# KiCad board MES Main Board.kicad_pcb (continued)
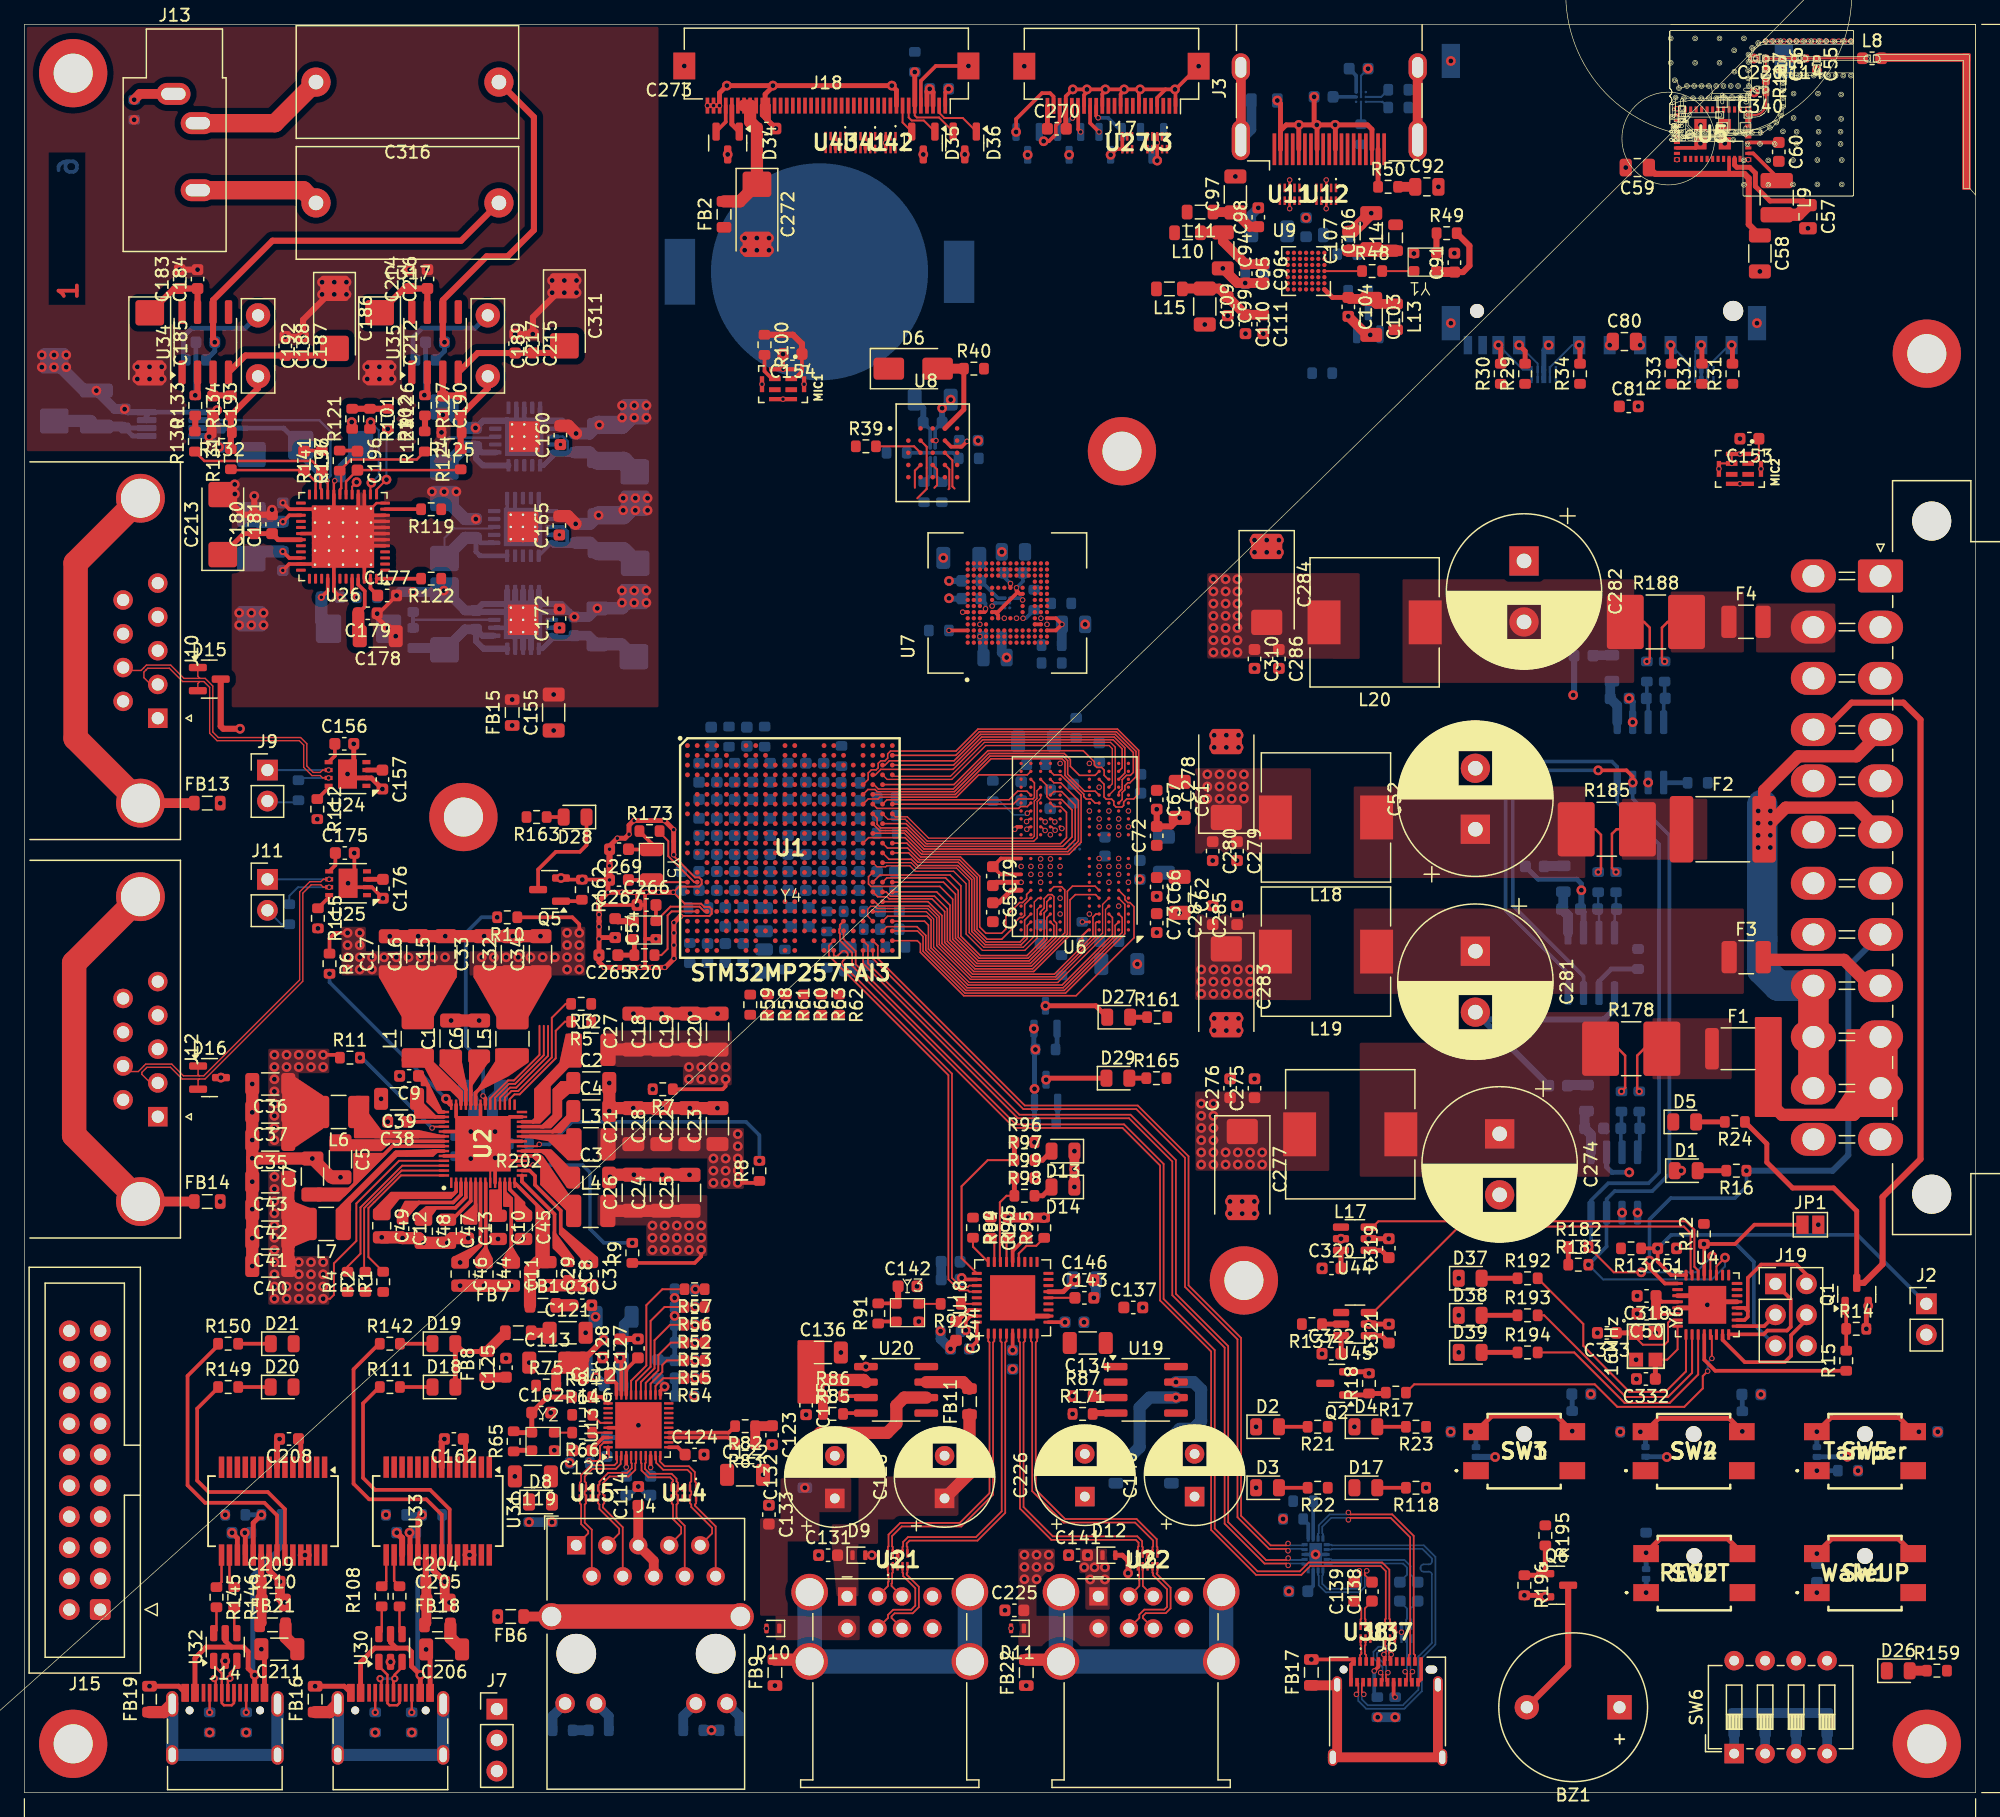
[diagram p0: board, top side]
## Placement (name value [footprint] x y rotation side) (continued)
C302  1uF  [C_0603_1608Metric]  56.02 68.85 270 bottom
C303  0.1uF  [C_0603_1608Metric]  57.48 68.85 270 bottom
C304  0.1uF  [C_0603_1608Metric]  58.24 83.64 90 bottom
C305  0.1uF  [C_0603_1608Metric]  55.32 83.64 90 bottom
C306  0.1uF  [C_0603_1608Metric]  65.54 83.64 90 bottom
C307  0.1uF  [C_0603_1608Metric]  64.08 83.64 90 bottom
C308  0.1uF  [C_0603_1608Metric]  61.16 83.64 90 bottom
C309  0.1uF  [C_0603_1608Metric]  62.62 83.64 90 bottom
C310  0.1uF  [C_0603_1608Metric]  100.87 92.97 270 top
C311  47uF  [CP_EIA-6032-28_Kemet-C]  44.28 121.1 270 top
C312  47uF  [CP_EIA-6032-28_Kemet-C]  2.45 114.94 90 bottom
C313  47uF  [CP_EIA-6032-28_Kemet-C]  50.08 103.27 90 bottom
C314  10uF  [C_1206_3216Metric]  46.98 95.64 90 bottom
C315  0.1uF  [C_0603_1608Metric]  45.1 95.64 90 bottom
C316  10uF  [C_Rect_L18.0mm_W9.0mm_P15.00mm_FKS3_FKP3]  38.91 140.27 180 top
C317  10uF  [C_Rect_L18.0mm_W9.0mm_P15.00mm_FKS3_FKP3]  38.91 130.36 180 top
C318  0.1uF  [C_0603_1608Metric]  133.02 40.73 180 top
C319  0.1uF  [C_0603_1608Metric]  111.88 44.65 90 top
C320  0.1uF  [C_0603_1608Metric]  107.19 42.99 0 top
C321  0.1uF  [C_0603_1608Metric]  111.89 37.65 90 top
C322  0.1uF  [C_0603_1608Metric]  107.18 35.99 0 top
C323  0.1uF  [C_0603_1608Metric]  131.69 54.47 0 bottom
C324  0.1uF  [C_0603_1608Metric]  128.72 54.47 180 bottom
C325  0.1uF  [C_0603_1608Metric]  125.76 57.97 0 bottom
C326  0.1uF  [C_0603_1608Metric]  129.78 72.46 0 bottom
C327  0.1uF  [C_0603_1608Metric]  126.82 72.46 180 bottom
C328  0.1uF  [C_0603_1608Metric]  123.85 75.95 0 bottom
C329  0.1uF  [C_0603_1608Metric]  133.78 89.73 0 bottom
C330  0.1uF  [C_0603_1608Metric]  130.81 89.73 180 bottom
C331  0.1uF  [C_0603_1608Metric]  127.85 93.23 0 bottom
C332  22pF  [C_0603_1608Metric]  132.97 33.92 180 top
C333  22pF  [C_0603_1608Metric]  129.76 37.7 180 top
C334  0.1uF  [C_0603_1608Metric]  77.65 99.37 0 bottom
C335  10uF  [C_1206_3216Metric]  76.82 101.25 180 bottom
C336  10uF  [C_1206_3216Metric]  93.44 76.9 270 bottom
C337  0.1uF  [C_0603_1608Metric]  88.61 77.58 90 bottom
C338  10uF  [C_1206_3216Metric]  37.61 57.57 0 bottom
C339  0.1uF  [C_0603_1608Metric]  37.61 55.69 180 bottom
C340  C  [C_0402_1005Metric]  142.32 139.42 180 top
C341  10uF  [C_1206_3216Metric]  74.48 114.23 0 bottom
C342  0.1uF  [C_0603_1608Metric]  74.48 112.35 180 bottom
D1  PWR OK  [LED_0805_2012Metric]  136.27 51 0 top
D2  +12V  [LED_0805_2012Metric]  101.94 30 0 top
D3  +5V  [LED_0805_2012Metric]  101.94 25 0 top
D4  +5VSB  [LED_0805_2012Metric]  110 30 0 top
D5  PS ON  [LED_0805_2012Metric]  136.15 55 0 top
D6  M1  [D_SMA]  72.88 116.77 0 top
D7  BAR18FILM  [SOT-23]  110.2 120.53 90 bottom
D8  1Gbps  [LED_0805_2012Metric]  42.32 23.83 0 top
D9  ESDA7P120-1U1M  [ST_QFN-2L_1.6x1.0mm]  68.43 19.47 0 top
D10  ESDA7P120-1U1M  [ST_QFN-2L_1.6x1.0mm]  61.38 13.46 180 top
D11  ESDA7P120-1U1M  [ST_QFN-2L_1.6x1.0mm]  81.43 13.47 180 top
D12  ESDA7P120-1U1M  [ST_QFN-2L_1.6x1.0mm]  88.93 19.47 0 top
D13  SUSP IND  [LED_0805_2012Metric]  85.16 52.6 180 top
D14  HS INT  [LED_0805_2012Metric]  85.16 49.66 180 top
D15  ESDCAN24-2BLY  [SOT-23]  15.16 91.31 0 top
D16  ESDCAN24-2BLY  [SOT-23]  15.18 58.63 0 top
D17  -12V  [LED_0805_2012Metric]  110 25 0 top
D18  A35 Rx  [LED_0805_2012Metric]  34.4 33.26 0 top
D19  A35 Tx  [LED_0805_2012Metric]  34.4 36.81 0 top
D20  M33 Rx  [LED_0805_2012Metric]  21.13 33.26 0 top
D21  M33 Tx  [LED_0805_2012Metric]  21.14 36.81 0 top
D22  ESDALC6V1  [D_SOD-882D]  132.98 17.93 270 bottom
D23  ESDALC6V1  [D_SOD-882D]  119.03 27.93 270 bottom
D24  ESDALC6V1  [D_SOD-882D]  132.93 27.94 270 bottom
D25  ESDALC6V1  [D_SOD-882D]  146.98 27.93 270 bottom
D26  RED  [LED_0805_2012Metric]  153.66 9.99 0 top
D27  G  [LED_0805_2012Metric]  89.73 63.59 0 top
D28  B  [LED_0805_2012Metric]  45.16 80 180 top
D29  O  [LED_0805_2012Metric]  89.67 58.59 0 top
D30  ESDA5V3L  [SOT-23]  92.47 135.24 270 bottom
D31  ESDA5V3L  [SOT-23]  89.07 135.24 270 bottom
D32  ESDA5V3L  [SOT-23]  85.67 135.24 270 bottom
D33  ESDA5V3L  [SOT-23]  82.27 135.24 270 bottom
D34  ESDA5V3L  [SOT-23]  57.67 135.27 270 top
D35  ESDA5V3L  [SOT-23]  73.71 135.27 270 top
D36  ESDA5V3L  [SOT-23]  77.11 135.28 270 top
D37  PMIC  [LED_0805_2012Metric]  118.55 42.18 0 top
D38  OCP  [LED_0805_2012Metric]  118.55 39.14 0 top
D39  OVP  [LED_0805_2012Metric]  118.55 36.1 0 top
F1  2.5A  [Fuse_1812_4532Metric]  140.52 61 0 top
F2  3A  [Fuse_2920_7451Metric]  139.27 79 0 top
F3  500mA  [Fuse_1210_3225Metric]  141.19 68.51 0 top
F4  500mA  [Fuse_1210_3225Metric]  141.17 96.01 0 top
FB1  Bead  [L_0805_2012Metric]  42.52 39.96 0 top
FB2  Bead  [L_0805_2012Metric]  57.37 129.42 90 top
FB3  Bead  [L_0805_2012Metric]  128.09 56.95 90 bottom
FB5  Bead  [L_0805_2012Metric]  101.68 138.76 0 bottom
FB6  Bead  [L_0805_2012Metric]  39.88 14.44 180 top
FB7  Bead  [L_0805_2012Metric]  40.5 37.71 180 top
FB8  Bead  [L_0805_2012Metric]  37.91 35.11 90 top
FB9  Bead  [L_0805_2012Metric]  61.54 9.84 90 top
FB11  Bead  [L_0805_2012Metric]  77.5 32.06 90 top
FB12  Bead  [L_0805_2012Metric]  126.19 74.93 90 bottom
FB13  Bead  [L_0805_2012Metric]  14.99 81.14 0 top
FB14  Bead  [L_0805_2012Metric]  14.99 48.47 0 top
FB15  Bead  [L_0805_2012Metric]  40 88.57 90 top
FB16  Bead  [L_0805_2012Metric]  23.84 7.66 90 top
FB17  Bead  [L_0805_2012Metric]  105.53 9.86 90 top
FB18  Bead  [L_0805_2012Metric]  33.87 13.75 0 top
FB19  Bead  [L_0805_2012Metric]  10.26 7.66 90 top
FB20  Bead  [L_0805_2012Metric]  130.18 92.21 90 bottom
FB21  Bead  [L_0805_2012Metric]  20.35 13.76 0 top
FB22  Bead  [L_0805_2012Metric]  82.16 9.84 90 top
FB23  Bead  [L_0805_2012Metric]  64 26.06 90 bottom
FB24  Bead  [L_0805_2012Metric]  94.06 26.44 90 bottom
FB25  Bead  [L_0805_2012Metric]  89.5 26.44 90 bottom
J1  ATX-24  [Molex_Mini-Fit_Jr_5569-24A1_2x12_P4.20mm_Horizontal]  152.2 99.77 270 top
J2  Power SW  [PinHeader_1x02_P2.54mm_Vertical]  155.96 40.09 0 top
J3  HDMI_A_1.4  [HDMI_A_Molex_208658-1001_Horizontal]  107 138.05 90 top
J4  48F-01GYD2NL  [RJ45_Wuerth_7499111446_Horizontal]  45.25 20.28 0 top
J5  USB_A_Stacked  [USB_A_Wuerth_61400826021_Horizontal_Stacked]  67.46 16.09 0 top
J6  USB 3.0  [USB_C_Receptacle_Amphenol_12401610E4-2A]  111.78 5.73 0 top
J7  RFID  [PinHeader_1x03_P2.54mm_Vertical]  38.74 6.85 0 top
J8  USB Type C(A35)  [USB_C_Receptacle_HRO_TYPE-C-31-M-12]  30.02 4.14 0 top
J9  CAN1 T-Res  [PinHeader_1x02_P2.54mm_Vertical]  19.93 83.85 0 top
J10  FDCAN_1  [DSUB-9_Female_Horizontal_P2.77x2.84mm_EdgePinOffset7.70mm_Housed_MountingHolesOffset9.12mm]  10.94 88.1 270 top
J11  CAN2 T-Res  [PinHeader_1x02_P2.54mm_Vertical]  19.93 74.89 0 top
J12  FDCAN_2  [DSUB-9_Female_Horizontal_P2.77x2.84mm_EdgePinOffset7.70mm_Housed_MountingHolesOffset9.12mm]  10.94 55.43 270 top
J13  LineOUT  [Jack_3.5mm_CUI_SJ1-3533NG_Horizontal]  12.22 139.3 0 top
J14  USB Type C(M33)  [USB_C_Receptacle_HRO_TYPE-C-31-M-12]  16.44 4.14 0 top
J15  ST-Link  [IDC-Header_2x10_P2.54mm_Vertical]  6.22 15.01 180 top
J16  USB_A_Stacked  [USB_A_Wuerth_61400826021_Horizontal_Stacked]  88.07 16.09 0 top
J17  2-1734592-2  [Hirose_FH12-22S-0.5SH_1x22-1MP_P0.50mm_Horizontal]  89.14 140.17 180 top
J18  LVDS  [Hirose_FH12-40S-0.5SH_1x40-1MP_P0.50mm_Horizontal]  65.76 140.19 180 top
J19  PMIC ISP  [PinHeader_2x03_P2.54mm_Vertical]  143.59 41.72 0 top
JP1  ATmega328p Reset  [SolderJumper-2_P1.3mm_Open_Pad1.0x1.5mm]  146.45 46.57 0 top
L1  0.68uH  [L_1210_3225Metric]  32.26 61.82 90 top
L2  0.68uH  [L_1210_3225Metric]  46.46 60.91 0 top
L3  0.68uH  [L_1210_3225Metric]  46.46 53.16 0 top
L4  2.2uH  [L_1210_3225Metric]  46.44 47.7 0 top
L5  2.2uH  [L_1210_3225Metric]  40.02 61.81 90 top
L6  0.68uH  [L_1210_3225Metric]  25.77 55.81 180 top
L7  0.68uH  [L_1210_3225Metric]  24.75 46.63 180 top
L8  2.4nH  [L_0603_1608Metric]  151.51 142.22 0 top
L9  2.2uH  [L_1210_3225Metric]  143.69 130.79 270 top
L10  10uH  [L_0805_2012Metric]  95.38 127.91 180 top
L11  10uH  [L_0805_2012Metric]  96.41 129.61 180 top
L12  10uH  [L_0805_2012Metric]  107.57 127.73 0 bottom
L13  10uH  [L_0805_2012Metric]  112.44 121.02 270 top
L14  10uH  [L_0805_2012Metric]  112.44 127.5 90 top
L15  10uH  [L_0805_2012Metric]  93.89 123.31 180 top
L16  4.7uH  [L_0805_2012Metric]  46.92 34.1 180 top
L17  47uH  [L_10.4x10.4_H4.8]  108.72 53.99 180 top
L18  47uH  [L_10.4x10.4_H4.8]  106.73 79.97 180 top
L19  47uH  [L_10.4x10.4_H4.8]  106.73 68.97 180 top
L20  47uH  [L_10.4x10.4_H4.8]  110.72 95.97 180 top
MIC1  IMP34DT05TR  [MIC_MP34DT06JTR]  62.21 115.5 270 top
MIC2  IMP34DT05TR  [MIC_MP34DT06JTR]  140.68 108.55 270 top
Q1  BSS138  [SOT-23]  150.25 40.86 90 top
Q2  BSS138  [SOT-23]  107.61 33.56 180 top
Q3  BSS138  [SOT-23]  83.73 63.59 90 bottom
Q4  BSS138  [SOT-23]  83.78 57.52 90 bottom
Q5  BSS138  [SOT-23]  43.06 74.05 180 top
Q6  BSS138  [SOT-23]  125.65 17.01 0 top
R1  0  [R_0603_1608Metric]  29.42 41.89 90 top
R2  0  [R_0603_1608Metric]  27.96 41.89 90 top
R3  0  [R_0603_1608Metric]  45.66 64.68 180 top
R4  0  [R_0603_1608Metric]  26.5 41.89 90 top
R5  0  [R_0603_1608Metric]  45.66 63.22 180 top
R6  0  [R_0603_1608Metric]  25.02 67.98 270 top
R7  0  [R_0603_1608Metric]  52.34 57.68 180 top
R8  0  [R_0603_1608Metric]  60.27 50.99 90 top
R9  0  [R_0603_1608Metric]  49.85 44.26 90 top
R10  0  [R_0603_1608Metric]  39.59 71.78 180 top
R11  0  [R_0603_1608Metric]  26.69 60.27 0 top
R12  10k  [R_0603_1608Metric]  137.72 45.82 90 top
R13  10k  [R_0603_1608Metric]  131.75 44.63 180 top
R14  10k  [R_0603_1608Metric]  150.22 38.03 0 top
R15  100  [R_0603_1608Metric]  149.39 35.42 90 top
R16  3k  [R_0603_1608Metric]  140.38 51 180 top
R17  100  [R_0603_1608Metric]  112.46 32.8 180 top
R18  10k  [R_0603_1608Metric]  110.25 33.56 90 top
R19  10k  [R_0603_1608Metric]  55.28 72.55 180 bottom
R20  0  [R_0603_1608Metric]  50.84 68.68 180 top
R21  10k  [R_0603_1608Metric]  106.05 30 180 top
R22  3k  [R_0603_1608Metric]  106.05 25 180 top
R23  3k  [R_0603_1608Metric]  114.11 30 180 top
R24  3k  [R_0603_1608Metric]  140.26 55 180 top
R25  10k  [R_0603_1608Metric]  79.41 82.14 270 bottom
R26  240  [R_0603_1608Metric]  86.75 70.58 270 bottom
R27  240  [R_0603_1608Metric]  70.7 78.66 180 bottom
R28  22  [R_0603_1608Metric]  67 85.01 270 bottom
R29  47k  [R_0603_1608Metric]  123.06 116.35 90 top
R30  47k  [R_0603_1608Metric]  121.06 116.35 90 top
R31  47k  [R_0603_1608Metric]  140.06 116.35 90 top
R32  47k  [R_0603_1608Metric]  137.56 116.35 90 top
R33  47k  [R_0603_1608Metric]  135.06 116.35 90 top
R34  10k  [R_0603_1608Metric]  127.56 116.35 90 top
R35  10k  [R_0603_1608Metric]  74.99 95.3 0 bottom
R36  10k  [R_0603_1608Metric]  82.81 97.82 270 bottom
R37  10k  [R_0603_1608Metric]  85.02 97.52 180 bottom
R38  10k  [R_0603_1608Metric]  84.23 94.09 0 bottom
R39  10k  [R_0603_1608Metric]  69 110.4 0 top
R40  10k  [R_0603_1608Metric]  77.86 116.77 0 top
R41  200  [R_0603_1608Metric]  57.78 86.6 90 bottom
R42  1k  [R_0603_1608Metric]  108.47 126.15 0 bottom
R43  2k  [R_0603_1608Metric]  106.41 116.4 0 bottom
R44  0  [R_0603_1608Metric]  109.6 135.99 270 bottom
R45  2k  [R_0603_1608Metric]  112.66 138.18 0 bottom
R46  2k  [R_0603_1608Metric]  112.66 139.64 0 bottom
R47  27k  [R_0603_1608Metric]  109.38 123.17 0 bottom
R48  0  [R_0603_1608Metric]  110.51 124.77 0 top
R49  10k  [R_0603_1608Metric]  116.62 127.88 0 top
R50  0  [R_0603_1608Metric]  111.82 131.68 0 top
R51  10k  [R_0603_1608Metric]  100.88 125.25 180 bottom
R52  22  [R_0603_1608Metric]  54.95 38.36 180 top
R53  22  [R_0603_1608Metric]  54.95 36.9 180 top
R54  22  [R_0603_1608Metric]  54.95 33.98 180 top
R55  22  [R_0603_1608Metric]  54.95 35.44 180 top
R56  22  [R_0603_1608Metric]  54.95 39.82 180 top
R57  22  [R_0603_1608Metric]  54.95 41.28 180 top
R58  22  [R_0603_1608Metric]  60.97 64.62 270 top
R59  22  [R_0603_1608Metric]  59.52 64.62 270 top
R60  22  [R_0603_1608Metric]  63.89 64.62 270 top
R61  22  [R_0603_1608Metric]  62.43 64.62 270 top
R62  22  [R_0603_1608Metric]  66.81 64.62 270 top
R63  22  [R_0603_1608Metric]  65.35 64.62 270 top
R64  22  [R_0603_1608Metric]  45.75 30.98 0 top
R65  10k  [R_0603_1608Metric]  40.12 28.81 90 top
R66  0  [R_0603_1608Metric]  45.74 29.52 180 top
R67  2.49k  [R_0603_1608Metric]  45.55 27.04 180 bottom
R68  510  [R_0603_1608Metric]  44.14 5.11 0 bottom
R69  510  [R_0603_1608Metric]  57.81 5.11 0 bottom
R70  4.7k  [R_0603_1608Metric]  47.09 5.11 0 bottom
R71  4.7k  [R_0603_1608Metric]  54.85 5.11 180 bottom
R72  4.7k  [R_0603_1608Metric]  43.26 23.01 90 bottom
R73  270  [R_0603_1608Metric]  41.39 23.01 90 bottom
R74  0  [R_0603_1608Metric]  48.31 37.14 180 bottom
R75  0  [R_0603_1608Metric]  42.78 33.38 0 top
R76  4.7k  [R_0603_1608Metric]  54.15 38.36 0 bottom
R77  4.7k  [R_0603_1608Metric]  54.15 36.9 0 bottom
R78  4.7k  [R_0603_1608Metric]  54.15 35.44 0 bottom
R79  4.7k  [R_0603_1608Metric]  54.15 33.98 0 bottom
R80  4.7k  [R_0603_1608Metric]  54.15 41.28 0 bottom
R81  4.7k  [R_0603_1608Metric]  54.15 39.82 0 bottom
R82  1.5k  [R_0603_1608Metric]  59.1 30.05 180 top
R83  1.5k  [R_0603_1608Metric]  59.1 28.59 180 top
R84  1.5k  [R_0603_1608Metric]  45.74 32.44 0 top
R85  10k  [R_0603_1608Metric]  66.31 31.05 0 top
R86  10k  [R_0603_1608Metric]  66.31 32.51 0 top
R87  10k  [R_0603_1608Metric]  86.78 32.51 0 top
R88  100k  [R_0603_1608Metric]  104.87 23.9 0 bottom
R89  10k  [R_0603_1608Metric]  77.78 46.33 270 top
R90  10k  [R_0603_1608Metric]  79.25 46.33 270 top
R91  10k  [R_0603_1608Metric]  70.01 39.29 90 top
R92  0  [R_0603_1608Metric]  75.96 40.08 180 top
R93  12k  [R_0603_1608Metric]  75.95 37.84 180 bottom
R94  100k  [R_0603_1608Metric]  80.7 46.33 90 top
R95  100k  [R_0603_1608Metric]  83.62 46.32 90 top
R96  100k  [R_0603_1608Metric]  82 53.32 0 top
R97  1k  [R_0603_1608Metric]  82 51.86 0 top
R98  1k  [R_0603_1608Metric]  82 48.94 0 top
R99  100k  [R_0603_1608Metric]  82 50.4 0 top
R100  10k  [R_0603_1608Metric]  60.69 118.73 270 top
R101  4.7k  [R_0603_1608Metric]  28.34 112.66 270 top
R102  4.7k  [R_0603_1608Metric]  29.8 112.66 270 top
R103  5.1k  [R_0603_1608Metric]  31.76 5.76 270 bottom
R104  5.1k  [R_0603_1608Metric]  28.77 5.76 270 bottom
R105  1.62M  [R_0603_1608Metric]  31.87 94.69 90 bottom
R106  215k  [R_0603_1608Metric]  31.87 97.64 90 bottom
R107  22  [R_0603_1608Metric]  29.3 16.1 270 top
R108  22  [R_0603_1608Metric]  30.76 16.1 270 top
R109  4.7k  [R_0603_1608Metric]  33.44 22.78 180 bottom
R110  10k  [R_0603_1608Metric]  30.47 22.78 180 bottom
R111  1k  [R_0603_1608Metric]  29.97 33.26 0 top
R112  10k  [R_0603_1608Metric]  24.02 80.65 270 top
R113  120  [R_0603_1608Metric]  22.47 82.2 90 bottom
R114  0  [R_0402_1005Metric]  145.58 142.21 180 top
R115  10k  [R_0603_1608Metric]  24.07 71.7 270 top
R116  120  [R_0603_1608Metric]  21.72 72.03 90 bottom
R117  0  [R_0402_1005Metric]  142.8 140.81 270 top
R118  10k  [R_0603_1608Metric]  114.11 25 180 top
R119  10k  [R_0603_1608Metric]  33.36 105.24 180 top
R120  10k  [R_0603_1608Metric]  28.08 98.02 180 bottom
R121  10k  [R_0603_1608Metric]  26.88 112.66 90 top
R122  10k  [R_0603_1608Metric]  33.36 99.55 180 top
R123  3.9k  [R_0603_1608Metric]  32.83 110.8 90 top
R124  3.9k  [R_0603_1608Metric]  35.77 109.33 90 top
R125  4.7k  [R_0603_1608Metric]  35.03 111.54 180 top
R126  150  [R_0603_1608Metric]  32.85 113.75 90 top
R127  150  [R_0603_1608Metric]  35.77 113.74 90 top
R128  4.7k  [R_0603_1608Metric]  32.89 117.48 0 bottom
R129  0  [R_0603_1608Metric]  9 138 90 bottom
R130  3.9k  [R_0603_1608Metric]  13.98 110.79 90 top
R131  3.9k  [R_0603_1608Metric]  16.93 109.34 90 top
R132  4.7k  [R_0603_1608Metric]  16.19 111.55 180 top
R133  150  [R_0603_1608Metric]  14.01 113.76 90 top
R134  150  [R_0603_1608Metric]  16.93 113.75 90 top
R135  4.7k  [R_0603_1608Metric]  14.07 117.48 0 bottom
R136  100  [R_0603_1608Metric]  25.85 109.23 90 top
R137  10k  [R_0603_1608Metric]  105.58 38.42 180 top
R138  0  [R_0603_1608Metric]  132.42 56.68 270 bottom
R139  10k  [R_0603_1608Metric]  132.98 20.5 270 bottom
R140  10k  [R_0603_1608Metric]  117.78 29.59 180 bottom
R141  100  [R_0603_1608Metric]  24.39 109.23 90 top
R142  1k  [R_0603_1608Metric]  29.97 36.81 0 top
R143  5.1k  [R_0603_1608Metric]  18.19 5.76 270 bottom
R144  5.1k  [R_0603_1608Metric]  15.19 5.76 270 bottom
R145  22  [R_0603_1608Metric]  15.75 16.03 270 top
R146  22  [R_0603_1608Metric]  17.21 16.03 270 top
R147  4.7k  [R_0603_1608Metric]  20.25 22.78 180 bottom
R148  10k  [R_0603_1608Metric]  17.3 22.78 180 bottom
R149  1k  [R_0603_1608Metric]  16.71 33.26 0 top
R150  1k  [R_0603_1608Metric]  16.7 36.81 0 top
R151  330  [R_0603_1608Metric]  126.92 30.47 90 bottom
R152  1k  [R_0603_1608Metric]  147.82 5.71 270 bottom
R153  10k  [R_0603_1608Metric]  131.69 29.59 180 bottom
R154  330  [R_0603_1608Metric]  140.87 30.45 90 bottom
R155  100  [R_0603_1608Metric]  149.53 26.4 180 bottom
R156  1k  [R_0603_1608Metric]  145.28 5.71 270 bottom
R157  1k  [R_0603_1608Metric]  142.74 5.71 270 bottom
R158  1k  [R_0603_1608Metric]  140.2 5.71 270 bottom
R159  330  [R_0603_1608Metric]  156.82 10 0 top
R160  10k  [R_0603_1608Metric]  83.73 60.94 0 bottom
R161  270  [R_0603_1608Metric]  92.89 63.59 0 top
R162  10k  [R_0603_1608Metric]  45.71 74.05 270 top
R163  270  [R_0603_1608Metric]  42 80 180 top
R164  10k  [R_0603_1608Metric]  83.78 54.88 0 bottom
R165  270  [R_0603_1608Metric]  92.82 58.59 0 top
R166  100k  [R_0603_1608Metric]  104.03 22.44 180 bottom
R167  0  [R_0603_1608Metric]  62.36 68.32 270 bottom
R168  200  [R_0603_1608Metric]  68 70.8 180 bottom
R169  200  [R_0603_1608Metric]  68 72.26 0 bottom
R170  200  [R_0603_1608Metric]  65.8 71.44 270 bottom
R171  10k  [R_0603_1608Metric]  86.78 31.05 0 top
R172  0  [R_0603_1608Metric]  71.43 69.34 180 bottom
R173  0  [R_0603_1608Metric]  51.26 78.85 0 top
R174  200  [R_0603_1608Metric]  60.7 86.6 90 bottom
R175  0  [R_0603_1608Metric]  65.8 68.48 90 bottom
R176  10k  [R_0603_1608Metric]  73.01 141.92 270 bottom
R177  0  [R_0603_1608Metric]  54.56 68.85 90 bottom
R178  0.1  [R_2816_7142Metric]  131.76 61 0 top
R179  0  [R_0603_1608Metric]  130.96 56.68 270 bottom
R180  5.1k  [R_0603_1608Metric]  110.94 7.01 270 bottom
R181  5.1k  [R_0603_1608Metric]  112.4 7.01 270 bottom
R182  4.7k  [R_0603_1608Metric]  127.43 44.75 0 top
R183  4.7k  [R_0603_1608Metric]  127.43 43.29 0 top
R184  0  [R_0603_1608Metric]  129.05 74.67 270 bottom
R185  0.1  [R_2816_7142Metric]  129.76 79 0 top
R186  0  [R_0603_1608Metric]  130.51 74.67 270 bottom
R187  0  [R_0603_1608Metric]  133.04 91.94 270 bottom
R188  0.1  [R_2816_7142Metric]  133.78 96 0 top
R189  0  [R_0603_1608Metric]  134.5 91.94 270 bottom
R190  10k  [R_0603_1608Metric]  132.32 68.36 270 bottom
R191  10k  [R_0603_1608Metric]  137.21 82.81 180 bottom
R192  10k  [R_0603_1608Metric]  123.26 42.18 0 top
R193  10k  [R_0603_1608Metric]  123.26 39.14 0 top
R194  10k  [R_0603_1608Metric]  123.26 36.1 0 top
R195  100  [R_0603_1608Metric]  124.72 21.09 270 top
R196  10k  [R_0603_1608Metric]  123 17 270 top
R197  4.7k  [R_0603_1608Metric]  73.77 106.65 270 bottom
R198  4.7k  [R_0603_1608Metric]  75.23 106.65 270 bottom
R199  10k  [R_0603_1608Metric]  84.23 92.63 0 bottom
R200  10k  [R_0603_1608Metric]  85.05 67.84 270 bottom
R201  10k  [R_0603_1608Metric]  86.25 87.32 90 bottom
R202  10k  [R_0603_1608Metric]  40.56 53.21 0 bottom
R203  10k  [R_0603_1608Metric]  35.39 53.02 270 bottom
R204  10k  [R_0603_1608Metric]  77.44 109.41 0 bottom
R205  10k  [R_0603_1608Metric]  71.53 109.87 180 bottom
SD1  GSD090012SEU  [AMPHENOL_GSD090012SEU]  130.62 132 0 bottom
SW1  WakeUP  [TLSMDT3C020GLFS]  150.93 18 0 top
SW2  RESET  [TLSMDT3C020GLFS]  136.93 18 0 top
SW3  SW1  [TLSMDT3C020GLFS]  122.98 28 0 top
SW4  SW2  [TLSMDT3C020GLFS]  136.88 28 0 top
SW5  Tamper  [TLSMDT3C020GLFS]  150.93 28 0 top
SW6  BOOT Mode  [SW_DIP_SPSTx04_Slide_6.7x11.72mm_W7.62mm_P2.54mm_LowProfile]  140.2 3.2 90 top
Temp1  AS6221(eMMC)  [Texas_DSBGA-6_0.95x1.488mm_Layout2x3_P0.4mm]  80.6 97.55 180 bottom
Temp2  AS6221(DRAM)  [Texas_DSBGA-6_0.95x1.488mm_Layout2x3_P0.4mm]  86.13 77.57 90 bottom
Temp3  AS6221(PMIC)  [Texas_DSBGA-6_0.95x1.488mm_Layout2x3_P0.4mm]  37.6 53.21 180 bottom
Temp4  AS6221(QSPI)  [Texas_DSBGA-6_0.95x1.488mm_Layout2x3_P0.4mm]  74.48 109.87 180 bottom
U1  STM32MP257FAI3  [BGA436C80P22X22_1800X1800X120]  62.77 77.46 0 top
U2  STPMIC25  [QFN40P650X650X90-57N-D]  37.6 53.21 90 top
U3  ECMF4-40A100N10  [ECMF440A100N10]  92.89 135.3 180 top
U4  ATmega328P-M  [QFN-32-1EP_5x5mm_P0.5mm_EP3.1x3.1mm]  138 40 0 top
U5  LBEE5KL1YN-814  [LBEE5KL1YN814]  138.44 136 180 top
U6  MT53E1G32D2FW-046  [BGA-200_10.0x14.5mm_Layout12x22_P0.80x0.65mm]  86.13 77.57 180 top
U7  THGAMVG8T13BAIL  [BGA153N50P14X14_1300X1150X100N]  80.6 97.55 90 top
U8  MX25L51245G  [BGA24C100P5X5_600X800X120]  74.48 109.87 0 top
U9  ADV7535  [BGA49N50P7X7_346X346X66]  105.1 124.77 0 top
U10  HDMI05-CL02F3  [BGA9C40P3X3_114X114X66]  109.6 139.05 0 bottom
U11  ECMF4-40A100N10  [ECMF440A100N10]  103.75 131.06 180 top
U12  ECMF4-40A100N10  [ECMF440A100N10]  106.75 131.06 180 top
U13  RTL8211F-CG  [QFN-40-1EP_5x5mm_P0.4mm_EP3.8x3.8mm]  50.35 30.12 90 top
U14  HSP051-4M10  [HSP0514M10]  54.08 24.57 180 top
U15  HSP051-4M10  [HSP0514M10]  46.55 24.57 180 top
U16  HSP051-4M10  [HSP0514M10]  124.59 116.28 0 bottom
U17  HSP051-4M10  [HSP0514M10]  137.51 116.28 0 bottom
U18  USB2514B_Bi  [QFN-36-1EP_6x6mm_P0.5mm_EP3.7x3.7mm]  81.03 40.58 90 top
U19  STMPS2252MTR  [SOIC-8_3.9x4.9mm_P1.27mm]  91.95 33.03 0 top
U20  STMPS2252MTR  [SOIC-8_3.9x4.9mm_P1.27mm]  71.48 33.03 0 top
U21  ECMF4-40A100N10  [ECMF440A100N10]  71.6 19.09 0 top
U22  ECMF4-40A100N10  [ECMF440A100N10]  92.1 19.08 0 top
U23  TPS7A4701xRGW  [Texas_RGW0020A_VQFN-20-1EP_5x5mm_P0.65mm_EP3.15x3.15mm_ThermalVias]  40.99 111.2 0 bottom
U24  MCP2562FD  [DFN-8-1EP_3x3mm_P0.65mm_EP1.55x2.4mm]  26.5 83.53 180 top
U25  MCP2562FD  [DFN-8-1EP_3x3mm_P0.65mm_EP1.55x2.4mm]  26.54 74.57 180 top
U26  AK4458VN  [QFN-48-1EP_7x7mm_P0.5mm_EP5.1x5.1mm_ThermalVias]  26.12 103 180 top
U27  ECMF2-40A100N6  [ECMF240A100N6]  90.43 135.29 180 top
U28  TPS7A4701xRGW  [Texas_RGW0020A_VQFN-20-1EP_5x5mm_P0.65mm_EP3.15x3.15mm_ThermalVias]  40.88 103.79 0 bottom
U29  TPS7A3301RGW  [Texas_RGW0020A_VQFN-20-1EP_5x5mm_P0.65mm_EP3.15x3.15mm_ThermalVias]  40.89 96.17 0 bottom
U30  TVS  [SOT-23-6]  30.02 11.86 90 top
U31  FT232RL  [SSOP-28_5.3x10.2mm_P0.65mm]  33.89 23.09 270 top
U32  TVS  [SOT-23-6]  16.47 11.94 90 top
U33  FT232RL  [SSOP-28_5.3x10.2mm_P0.65mm]  20.39 23.08 270 top
U34  OPA1611  [SOIC-8_3.9x4.9mm_P1.27mm]  14.84 118.93 90 top
U35  OPA1611  [SOIC-8_3.9x4.9mm_P1.27mm]  33.67 118.93 90 top
U36  REF7050  [VSSOP-8_3x3mm_P0.65mm]  12.14 112.22 0 bottom
U37  ECMF2-40A100N6  [ECMF240A100N6]  111.98 13.16 0 top
U38  ECMF2-40A100N6  [ECMF240A100N6]  109.97 13.16 0 top
U39  ECMF2-40A100N6  [ECMF240A100N6]  113.32 13.16 180 bottom
U40  -  [FUSB340TMX]  105.88 19.53 0 bottom
U41  ECMF4-40A100N10  [ECMF440A100N10]  68.96 135.31 180 top
U42  ECMF2-40A100N6  [ECMF240A100N6]  71.03 135.31 180 top
U43  ECMF4-40A100N10  [ECMF440A100N10]  66.51 135.32 180 top
U44  SN74LVC1T45DBV  [SOT-23-6]  109.1 45.42 180 top
U45  SN74LVC1T45DBV  [SOT-23-6]  109.11 38.42 180 top
U46  INA219BxD  [SOIC-8_3.9x4.9mm_P1.27mm]  130.38 50.04 90 bottom
U47  INA219BxD  [SOIC-8_3.9x4.9mm_P1.27mm]  128.48 68.04 90 bottom
U48  INA219BxD  [SOIC-8_3.9x4.9mm_P1.27mm]  132.51 85.31 90 bottom
Y1  TCXO 24MHz  [ECS-TXO-2520]  115.79 126.23 180 top
Y2  TCXO 25MHZ  [ECS-TXO-2520]  41.61 28.07 0 top
Y3  TCXO 24MHz  [ECS-TXO-2520]  71.49 38.63 0 top
Y4  TCXO 40MHZ  [ECS-TXO-2520]  49.94 70.01 0 top
Y5  32.768kHz  [ECX-.327-CDX-1293]  51.43 77.34 270 top
Y6  16MHz  [TSX-3225 16.0000MF18X-AC0]  132.56 36.7 270 top

## Library data of the parts
AE1 = -: Description: Antenna
BT1 = -: Description: Single-cell battery
BZ1 = -: Description: Buzzer, polarized; ki_fp_filters: *Buzzer*
C1-C7 C9 C10 C12 C14-C51 C53-C125 C127-C131 C133-C137 C141-C154 C156 C157 C159 C160 C163-C166 C168 C170 C172 C173 C175-C184 C187-C194 C196-C198 C200 C202 C214-C225 C227-C237 C240-C270 C275 C276 C279 C280 C285-C310 C314-C322 C332 C333 C335 C336 C338 C340 C341 = -: Description: Unpolarized capacitor; ki_fp_filters: C_*
C8 C11 C13 C138 C139 C155 C238 C239 C271 C273 C323-C331 C334 C337 C339 C342 = -: Description: Unpolarized capacitor, small symbol; ki_fp_filters: C_*
C52 C126 C132 C140 C158 C167 C169 C171 C174 C185 C186 C195 C199 C201 C203 C212 C213 C226 C274 C277 C278 C281-C284 C311-C313 = -: Description: Polarized capacitor; ki_fp_filters: CP_*
C161 C162 C204-C211 = -: ki_fp_filters: C_*
C272 = -: Description: Polarized capacitor, small symbol; ki_fp_filters: CP_*
D1-D5 D8 D13 D14 D17 D26-D29 D37-D39 = -: Description: Light emitting diode; ki_fp_filters: LED* LED_SMD:* LED_THT:*
D6 = -: Description: Schottky diode; ki_fp_filters: TO-???* *_Diode_* *SingleDiode* D_*
D7 = -: Datasheet: www.st.com/resource/en/datasheet/bar42.pdf; Description: 30V 0.1A Small signal Schottky diode, SOT-23; ki_fp_filters: SOT?23*
D9-D12 D22-D25 = -: Description: Diode; Sim.Device: D; Sim.Pins: 1=K 2=A; ki_fp_filters: TO-???* *_Diode_* *SingleDiode* D_*
D15 D16 = -: Datasheet: https://www.littelfuse.com/~/media/electronics/datasheets/tvs_diode_arrays/littelfuse_tvs_diode_array_sm712_datasheet.pdf.pdf; Description: 7V/12V, 600W Asymmetrical TVS Diode Array, SOT-23; ki_fp_filters: SOT?23*
D18-D21 = -: ki_fp_filters: LED* LED_SMD:* LED_THT:*
D30-D36 = -: Datasheet: http://www.onsemi.com/pub/Collateral/MMBZ5V6ALT1-D.PDF; Description: Double Zener Diode, Common Anode, 225mW, SOT-23; ki_fp_filters: SOT?23*
F1-F4 = -: Description: Resettable fuse, polymeric positive temperature coefficient; ki_fp_filters: *polyfuse* *PTC*
FB1 FB2 FB5-FB9 FB11 FB13-FB15 FB18 FB21-FB25 = -: Description: Ferrite bead, small symbol; ki_fp_filters: Inductor_* L_* *Ferrite*
FB3 FB12 FB16 FB17 FB19 FB20 = -: ki_fp_filters: Inductor_* L_* *Ferrite*
J1 = -: Datasheet: https://www.intel.com/content/dam/www/public/us/en/documents/guides/power-supply-design-guide-june.pdf#page=33; Description: ATX Power supply 24pins; ki_fp_filters: *Mini?Fit*2x12*Vertical* *Mini?Fit*2x12*Horizontal*
J2 J9 J11 = -: Description: Generic connector, single row, 01x02, script generated (kicad-library-utils/schlib/autogen/connector/); ki_fp_filters: Connector*:*_1x??_*
J3 = -: Datasheet: https://en.wikipedia.org/wiki/HDMI; Description: HDMI 1.4+ type A connector; ki_fp_filters: HDMI*A*
J5 J16 = -: Description: USB Type A connector, stacked; ki_fp_filters: USB*
J6 = -: Datasheet: https://www.usb.org/sites/default/files/documents/usb_type-c.zip; Description: USB Full-Featured Type-C Receptacle connector; ki_fp_filters: USB*C*Receptacle*
J7 = -: Description: Generic connector, single row, 01x03, script generated (kicad-library-utils/schlib/autogen/connector/); ki_fp_filters: Connector*:*_1x??_*
J8 J14 = -: Datasheet: https://www.usb.org/sites/default/files/documents/usb_type-c.zip; ki_fp_filters: USB*C*Receptacle*
J10 J12 = -: Description: 9-pin male plug pin D-SUB connector, Mounting Hole; ki_fp_filters: DSUB*Male*
J13 = -: Description: Audio Jack, 3 Poles (Stereo / TRS); ki_fp_filters: Jack*
J15 J19 = -: ki_fp_filters: Connector*:*_2x??_*
J17 = -: Description: Generic connector, single row, 01x24, script generated (kicad-library-utils/schlib/autogen/connector/); ki_fp_filters: Connector*:*_1x??_*
J18 = -: Description: "Generic connector, single row, 01x44, script generated"; ki_fp_filters: Connector*:*_1x??_*
JP1 = -: Description: Jumper, 2-pole, open; ki_fp_filters: Jumper* TestPoint*2Pads* TestPoint*Bridge*
L1-L20 = -: Description: Inductor; ki_fp_filters: Choke_* *Coil* Inductor_* L_*
MIC1 MIC2 = -: Datasheet: https://www.mouser.kr/datasheet/2/389/imp34dt05-1849335.pdf; Description: MEMS audio sensor omnidirectional digital microphone for industrial applications
Q1-Q6 = -: Datasheet: https://www.onsemi.com/pub/Collateral/BSS138-D.PDF; Description: 50V Vds, 0.22A Id, N-Channel MOSFET, SOT-23; ki_fp_filters: SOT?23*
R1-R11 R19 R52-R64 R76-R84 R129 R138 R155 R176 R177 R179-R181 R184 R186 R187 R189 = -: Description: Resistor, small symbol; ki_fp_filters: R_*
R12-R18 R20-R51 R65-R75 R85-R102 R105 R106 R112-R128 R130-R137 R139-R141 R151-R154 R156-R175 R178 R182 R183 R185 R188 R190-R205 = -: Description: Resistor; ki_fp_filters: R_*
R103 R104 R107-R111 R142-R150 = -: ki_fp_filters: R_*
SD1 = -: MF: Amphenol; MAXIMUM_PACKAGE_HEIGHT: 2.95mm; Package: None; Price: None; Check_prices: https://www.snapeda.com/parts/GSD090012SEU/Amphenol/view-part/?ref=eda; STANDARD: Manufacturer Recommendations; PARTREV: E; SnapEDA_Link: https://www.snapeda.com/parts/GSD090012SEU/Amphenol/view-part/?ref=snap; Description_1: Micro SD and SD Card Sockets, Input Output Connectors, SD Socket,9 Position,SMT; Availability: In Stock; MANUFACTURER: Amphenol
SW1-SW5 = -: Description: Switch, single pole double throw
SW6 = -: Description: 4x DIP Switch, Single Pole Single Throw (SPST) switch, small symbol; ki_fp_filters: SW?DIP?x4*
U3 U11 U12 U21 U22 U41 U43 = -: Datasheet: https://www.mouser.kr/datasheet/2/389/ecmf2_40a100n6-2935932.pdf; Description: Common mode filter with ESD protection for high speed serial interface
U4 = -: Datasheet: http://ww1.microchip.com/downloads/en/DeviceDoc/ATmega328_P%20AVR%20MCU%20with%20picoPower%20Technology%20Data%20Sheet%2040001984A.pdf; Description: 20MHz, 32kB Flash, 2kB SRAM, 1kB EEPROM, QFN-32; ki_fp_filters: QFN*1EP*5x5mm*P0.5mm*
U5 = -: Datasheet: https://www.murata.com/products/productdata/8815814344734/type1yn.pdf; Description: Bluetooth 802.11b/g/n, Bluetooth v5.2 Transceiver Module 2.4GHz ~ 2.4835GHz Antenna Not Included Surface Mount; Height: 1.1; Mouser Part Number: 81-LBEE5KL1YN-814; Mouser Price/Stock: https://www.mouser.co.uk/ProductDetail/Murata-Electronics/LBEE5KL1YN-814?qs=TCDPyi3sCW1FrH0sh%252Bb5wA%3D%3D; Manufacturer_Name: Murata Electronics
U6 = -: Datasheet: https://www.micron.com/content/dam/micron/global/secure/products/data-sheet/dram/mobile-dram/low-power-dram/lpddr4/auto-embedded/z42m/200b-z42m-automotive-lpddr4x-lpddr4.pdf; Description: SDRAM Mobile - LPDDR4
U7 = -: Datasheet: https://www.mouser.kr/datasheet/2/1034/KIOXIA_e_MMC_Product_Brief-3193570.pdf; Description: e-MMC 5.1, FG NAND, 400MB/s
U8 = -: Datasheet: https://www.mouser.kr/datasheet/2/819/MX25L51245G_2c_3V_2c_512Mb_2c_v1_7-3371024.pdf; Description: NOR FLASH 512Mbit
U9 = -: Datasheet: https://www.analog.com/media/en/technical-documentation/data-sheets/ADV7535.pdf; Description: MIPI/DSI Receiver with HDMI Transmitter
U10 = -: Datasheet: https://www.mouser.kr/datasheet/2/389/hdmi05_cl02f3-1849217.pdf; Description: 5-line IPAD, HDMI control line ESD protection
U14-U17 = -: Datasheet: https://www.st.com/content/ccc/resource/technical/document/datasheet/44/a6/63/a5/b3/ae/4e/01/DM00089476.pdf/files/DM00089476.pdf/jcr:content/translations/en.DM00089476.pdf; Description: 4-line ESD protection for high speed lines
U18 = -: Datasheet: http://ww1.microchip.com/downloads/en/DeviceDoc/00001692C.pdf; Description: USB 2.0 Hi-Speed Hub Controller; ki_fp_filters: QFN*6x6mm*P0.5mm*
U19 U20 = -: Datasheet: https://www.st.com/content/ccc/resource/technical/document/datasheet/3d/38/34/c5/d0/fb/42/ce/CD00210593.pdf/files/CD00210593.pdf/jcr:content/translations/en.CD00210593.pdf; Description: Enhanced dual-channel power switches
U23 U28 = -: Datasheet: https://www.ti.com/lit/ds/symlink/tps7a47.pdf; Description: 1A, Low-Noise Low-Dropout Voltage Regulator, 3-35V Input, Adjustable 1.4-34V Output, VQFN-20; ki_fp_filters: Texas*RGW0020A*
U24 U25 = -: Datasheet: http://ww1.microchip.com/downloads/en/DeviceDoc/25167A.pdf; Description: High-Speed CAN Transceiver, 1Mbps, 5V supply, Vio pin, -40C to +125C, DFN-8; ki_fp_filters: DFN*1EP*3x3mm*P0.65mm*
U26 = -: Datasheet: https://www.akm.com/content/dam/documents/products/audio/audio-dac/ak4458vn/ak4458vn-en-datasheet.pdf; Description: 115dB 768kHz 32-bit 8ch Premium DAC; Height: 1; Mouser Part Number: 412-AK4458VN; Mouser Price/Stock: https://www.mouser.co.uk/ProductDetail/Asahi-Kasei-Microdevices/AK4458VN?qs=vvQtp7zwQdPkOtm%2F7pZztA%3D%3D; Manufacturer_Name: Asahi Kasei Microdevices
U29 = -: Datasheet: https://www.ti.com/lit/ds/symlink/tps7a33.pdf; Description: 1A, Low-Noise Lod-Dropout Negative Voltage Regulator, -3..-36V Input, Adjustable -1.18...-33V Output, VQFN-20; ki_fp_filters: Texas*RGW0020A*
U30 U32 = -: Datasheet: https://www.we-online.com/components/products/datasheet/82400102.pdf; ki_fp_filters: SOT?23*
